# Altium PCB 1,5mm_18um_4layers_std.PcbDoc (part 1 of 2) (continued)
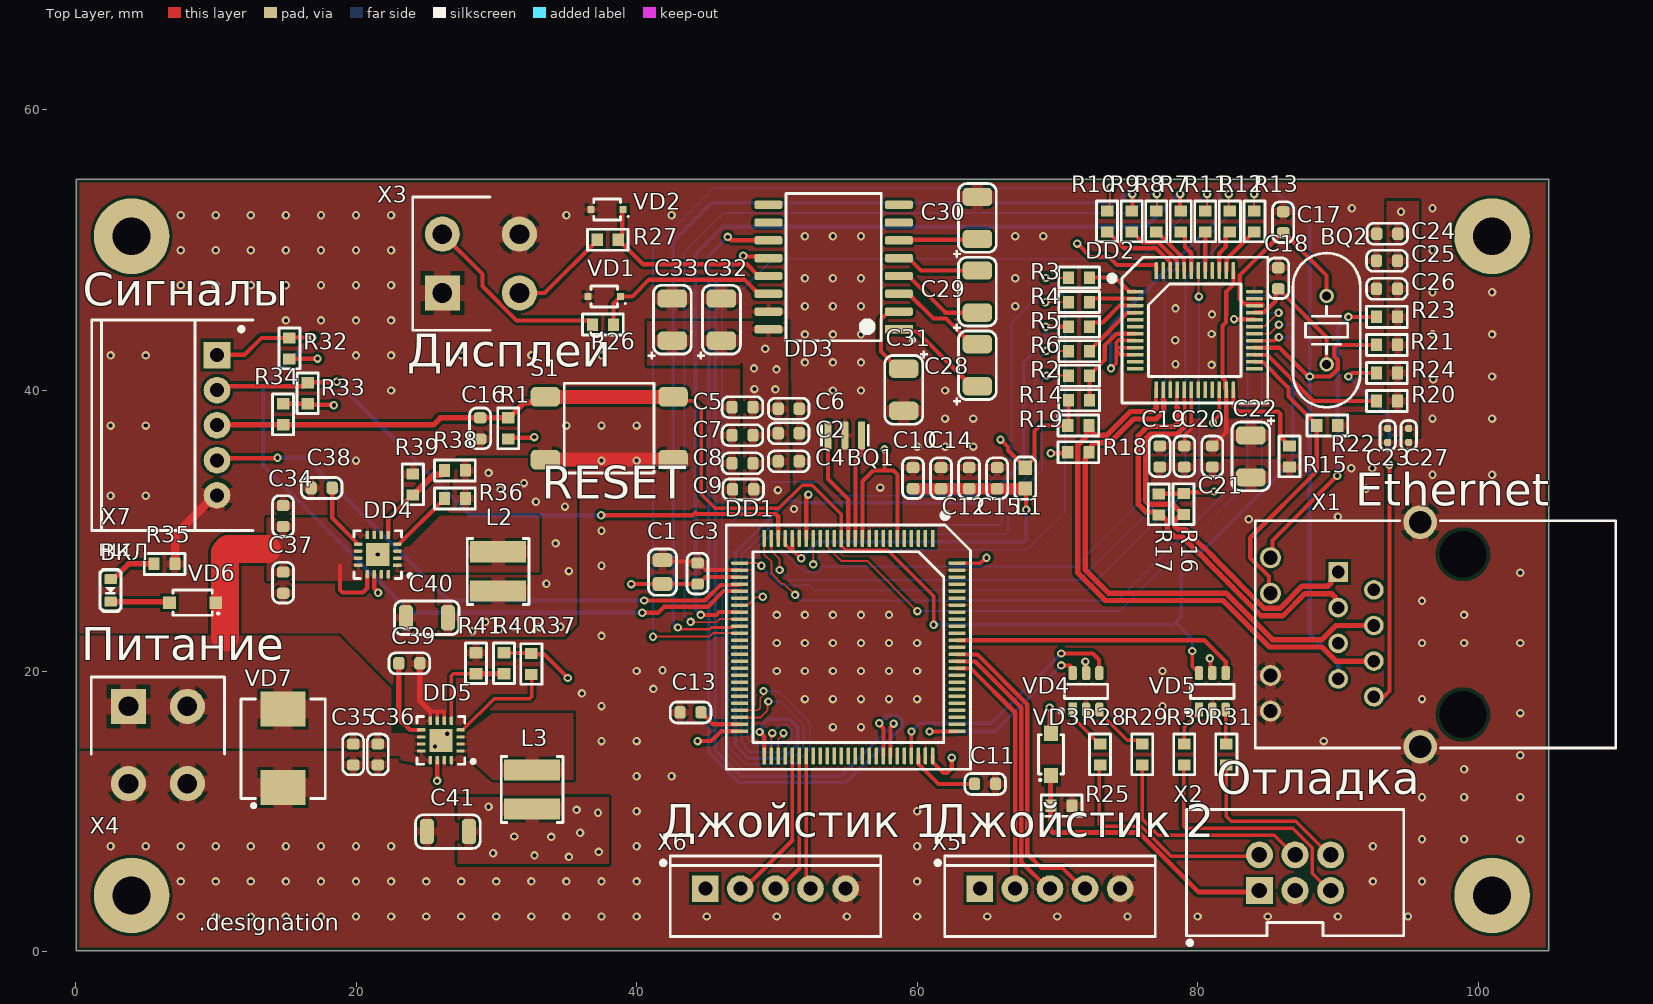
[diagram p0: Top Layer view]
## Components (designator, comment, footprint, x,y, rotation, side; value= is the part's Value field where it differs from the comment)
BQ1 "CSTCE12M0G52A-R0" CSTCE-3-P120-320X130X70 54.85,36.8 r180 top
BQ2 "ECS-250-18-4X-CKM" HC-49/US 89.2,44.3 r270 top
C1 "4,7 мк" C0805 41.85,27.05 r270 top
C2 "0,1 мк" C0603 50.85,36.95 r180 top
C3 "0,1 мк" C0603 44.35,26.95 r270 top
C4 "0,1 мк" C0603 50.85,34.95 r180 top
C5 "0,1 мк" C0603 47.55,38.81 r0 top
C6 "0,1 мк" C0603 50.85,38.7 r180 top
C7 "0,1 мк" C0603 47.55,36.81 r0 top
C8 "0,1 мк" C0603 47.55,34.81 r0 top
C9 "0,1 мк" C0603 47.6,32.95 r0 top
C10 "1 мк" C0603 59.71,33.75 r270 top
C11 "2,2 мк" C0603 64.85,11.95 r0 top
C12 "0,01 мк" C0603 63.71,33.75 r90 top
C13 "2,2 мк" C0603 43.85,17.05 r180 top
C14 "1 мк" C0603 61.71,33.75 r270 top
C15 "0,01 мк" C0603 65.71,33.75 r90 top
C16 "0,1 мк" C0603 28.85,37.3 r270 top
C17 "18" C0603 86.1,52 r90 top
C18 "18" C0603 85.75,48 r270 top
C19 "0,1 мк" C0603 77.3,35.3 r90 top
C20 "0,1 мк" C0603 79.05,35.3 r90 top
C21 "0,1 мк" C0603 81.05,35.3 r90 top
C22 "10 мк" C3216-18 83.8,35.3 r270 top
C23 "0,1 мк" C0402 93.55,36.8 r90 top
C24 "0,1 мк" C0603 93.525,51.175 r0 top
C25 "0,1 мк" C0603 93.5,49.25 r0 top
C26 "0,1 мк" C0603 93.5,47.25 r0 top
C27 "0,1 мк" C0402 95.05,36.8 r90 top
C28 "1 мк" C3216-18 64.3,41.8 r90 top
C29 "1 мк" C3216-18 64.3,47.05 r90 top
C30 "1 мк" C3216-18 64.3,52.3 r90 top
C31 "1 мк" C3216-18 59.05,40.05 r270 top
C32 "0,1 мк" C3216-18 46.05,45.05 r90 top
C33 "1 мк" C3216-18 42.55,45.05 r90 top
C34 "2,2 мк" C0603 14.8,31.05 r270 top
C35 "2,2 мк" C0603 19.8,14.05 r90 top
C36 "0,1 мк" C0603 21.55,14.05 r270 top
C37 "0,1 мк" C0603 14.8,26.3 r270 top
C38 "20" C0603 17.55,33.05 r0 top
C39 "20" C0603 23.8,20.55 r180 top
C40 "22 мк" C1206 25.05,23.8 r0 top
C41 "22 мк" C1206 26.55,8.55 r0 top
DD1 "STM32F407VGT6" LQFP-100-P50-1400X1400X160-L60X22 55.1,21.7 r270 top
DD2 "DP83848C" LQFP-48-P50-700X700X160-L60X22 79.8,44.3 r0 top
DD3 "MAX232DW" SOIC-16-P127-1030X750X265-L84X41 54.05,48.8 r180 top
DD4 "TLV62130ARGTT" WQFN-16-P50-300X300X100-L40X24-T168X168 21.55,28.3 r180 top
DD5 "TLV62130ARGTT" WQFN-16-P50-300X300X100-L40X24-T168X168 26.05,15.05 r180 top
HL1 "TLMS1000-GS08" HL0603 2.5,25.75 r90 top
L1 "BLM18KG221SH1D" BLM-2-0603 67.71,33.75 r90 top
L2 "XFL4020-222MEC" XFL-2-400X400X210 30.124,27.102 r270 top
L3 "XFL4020-222MEC" XFL-2-400X400X210 32.55,11.55 r270 top
R1 "10 к" R0603 30.85,37.3 r270 top
R2 "0" R0603 71.55,41.05 r0 top
R3 "51" R0603 71.55,48.05 r0 top
R4 "51" R0603 71.55,46.3 r0 top
R5 "51" R0603 71.55,44.55 r0 top
R6 "51" R0603 71.55,42.8 r0 top
R7 "51" R0603 78.8,52.05 r270 top
R8 "51" R0603 77.05,52.05 r270 top
R9 "51" R0603 75.3,52.05 r270 top
R10 "51" R0603 73.55,52.05 r270 top
R11 "51" R0603 80.55,52.05 r270 top
R12 "51" R0603 82.3,52.05 r270 top
R13 "51" R0603 84.05,52.05 r270 top
R14 "2,2 к" R0603 71.55,39.3 r0 top
R15 "4,99 к" R0603 86.55,35.3 r90 top
R16 "51" R0603 79,31.9 r270 top
R17 "51" R0603 77.225,31.875 r270 top
R18 "51" R0603 71.5,35.6 r0 top
R19 "51" R0603 71.5,37.5 r0 top
R20 "2,2 к" R0603 93.5,39.25 r0 top
R21 "2,2 к" R0603 93.5,43.25 r0 top
R22 "2,2 к" R0603 89.25,37.5 r0 top
R23 "240" R0603 93.5,45.25 r180 top
R24 "240" R0603 93.5,41.25 r180 top
R25 "10 к" R0603 70.3,10.4 r180 top
R26 "22" R0603 37.6,44.7 r0 top
R27 "22" R0603 37.95,50.75 r0 top
R28 "22" R0603 73.05,14.05 r90 top
R29 "22" R0603 76.05,14.05 r90 top
R30 "22" R0603 79.05,14.05 r90 top
R31 "22" R0603 82.05,14.05 r90 top
R32 "10 к" R0603 15.25,43 r90 top
R33 "10 к" R0603 16.55,39.8 r90 top
R34 "10 к" R0603 14.8,38.3 r270 top
R35 "750" R0603 6.35,27.635 r180 top
R36 "100 к" R0603 27.05,32.3 r0 top
R37 "100 к" R0603 32.5,20.5 r90 top
R38 "560 к" R0603 27.05,34.3 r0 top
R39 "180 к" R0603 24.05,33.3 r90 top
R40 "910 к" R0603 30.55,20.55 r270 top
R41 "180 к" R0603 28.55,20.55 r90 top
S1 "FSM4JSMA" FSM4JSMA 38.05,37.31 r0 top
VD1 "SD12C-01FTG" SOD-323-257X130X114 37.7,46.7 r180 top
VD2 "SD12C-01FTG" SOD-323-257X130X114 37.9,52.9 r180 top
VD3 "MBR140SFT1G" SOD-123FL-370X165X98 69.55,14.05 r90 top
VD4 "TPD2S017DBVR" SOT-23-6-P95-290X280X145 72.05,18.55 r90 top
VD5 "TPD2S017DBVR" SOT-23-6-P95-290X280X145 81.05,18.55 r90 top
VD6 "MBR0530T1G" SOD-123-368X160X135 8.35,24.875 r180 top
VD7 "1.5SMC62CA" DO-214AB-790X590X262 14.8,14.5 r90 top
X1 "5-2301994-8" 5-2301994-8 96.915,22.61 r90 top
X2 "DS1013-06SSiB1-B-0" DS1013-06SSiB1-B-0 86.95,5.62 r0 top
X3 "4-1775099-0" 4-1775099-0 28.8,49.05 r90 top
X4 "4-1775099-0" 4-1775099-0 5.875,14.825 r0 top
X5 "DS1069-5MVW6X" DS1069-5MVW6X 69.475,3.95 r0 top
X6 "DS1069-5MVW6X" DS1069-5MVW6X 49.9,3.95 r0 top
X7 "DS1069-5MRW6XA" DS1069-5MRW6XA 6.925,37.525 r270 top

## Footprints (in the part's own frame and the unit in brackets; to place one, negate y for a bottom-side part, rotate by r counter-clockwise, add the part's x,y. Pads: shape width x height; smd on the part's side, far side on the other; paste and mask are expansions set on the pad)
4-1775099-0 [mm] "ATX Power 4 Pins Mount Header, V/A Type"
  rect 2.5x2.5 hole 1.4: 1(-2.1,2.65)
  round 2.5 hole 1.4: 2(2.1,2.65) 3(-2.1,-2.85) 4(2.1,-2.85)
  silkscreen extent -4.75,-0.75 4.75,4.75, body extent -5.1,-6.1 4.75,4.8, height 12.8
5-2301994-8 [mm] "RJ45 with Integrated Magnetics, 10/100 Mbps, LED, R/A Type"
  rect 1.4x1.4 hole 0.9: 1(4.445,6.89)
  round 1.4 hole 0.9: 2(3.175,4.35) 3(1.905,6.89) 4(0.635,4.35) 5(-0.635,6.89) 6(-1.905,4.35) 7(-3.175,6.89) 8(-4.445,4.35)
  round 1.5 hole 1.02: 9(5.465,11.72) 10(2.925,11.72) 11(-2.925,11.72) 12(-5.465,11.72)
  round 2.4 hole 1.6: TP1(-8,1.05) TP1(8,1.05)
  round 0 hole 3.35: ""(-5.715,-2) ""(5.715,-2)
  silkscreen extent -8.1,-12.9 8.1,12.8, body extent -9.37,-12.94 9.37,12.5, height 15.15
BLM-2-0603 [mm] "Chip Inductor, 2-Leads, Body 1,60x0,80mm, IPC Medium Density"
  rect 1.02x0.98 smd: 1(-0.74,0) 2(0.74,0)
  silkscreen extent -1.5,-0.75 1.5,0.75, body extent -0.8,-0.37 0.8,0.38, height 0.8
C0402 [mm] "Chip Capacitor, 2-Leads, Body 1,00x0,50mm, IPC Medium Density"
  rrect50% 0.5x0.5 smd: 1(-0.5,0) 2(0.5,0)
  silkscreen extent -1.05,-0.55 1.05,0.55, body extent -0.5,-0.25 0.5,0.25, height 0.5
C0603 [mm] "Chip Capacitor, 2-Leads, Body 1,60x0,80mm, IPC Medium Density"
  rrect50% 0.8x0.9 smd: 1(-0.75,0) 2(0.75,0)
  silkscreen extent -1.45,-0.75 1.45,0.75, body extent -0.8,-0.4 0.8,0.4, height 0.8
C0805 [mm] "Chip Capasitor, 2-Leads, Body 2,00x1,25mm, IPC Medium Density"
  rrect50% 1x1.4 smd: 1(-0.85,0) 2(0.85,0)
  silkscreen extent -1.65,-1 1.65,1, body extent -1,-0.62 1,0.63, height 0.6
C1206 [mm] "Chip Capacitor, 2-Leads, Body 3,20x1,60mm, IPC Medium Density"
  rrect50% 1x1.8 smd: 1(-1.5,0) 2(1.5,0)
  silkscreen extent -2.3,-1.2 2.3,1.2, body extent -1.6,-0.8 1.6,0.8, height 0.78
C3216-18 [mm] "Chip Tantalum Capacitor, 2-Leads, Body 3,20x1,60mm, IPC Medium Density"
  rrect50% 1.3x2.1 smd: 1(-1.5,0) 2(1.5,0)
  silkscreen extent -2.8,-1.35 2.45,1.7, body extent -1.7,-0.95 1.7,0.95, height 1.83
CSTCE-3-P120-320X130X70 [mm] "Ceramic Chip Oscillator, Body 3,20x1,30mm, 3-Leads, Pitch 1,20mm"
  rrect25% 0.5x2 smd paste-0.025 mask+0.1: 1(-1.2,0) 2(0,0) 3(1.2,0)
  silkscreen extent -1.68,-0.7 1.67,0.7, body extent -1.6,-0.65 1.6,0.65, height 0.8
DO-214AB-790X590X262 [mm] "Molded Diode, 2-Leads, Body 7,90x5,90mm, IPC Medium Density"
  rect 2.5x3.2 smd: 1(-2.8,0) 2(2.8,0)
  silkscreen extent -4.22,-3 3.5,3, body extent -3.95,-2.95 3.95,2.95, height 2.59
DS1013-06SSiB1-B-0 [mm] "BH 6 pins 2,54mm Plug Header V/T Type"
  rect 1.92x1.92 hole 1.1: 1(-2.54,-1.27)
  round 1.92 hole 1.1: 2(-2.54,1.27) 3(0,-1.27) 4(0,1.27) 5(2.54,-1.27) 6(2.54,1.27)
  silkscreen extent -7.75,-5.01 7.75,4.5, body extent -7.71,-4.4 7.71,4.4, height 9
DS1069-5MRW6XA [mm] "CWF 5 Pins Plug Header, Pitch 2,5mm, R/A Type, Type A"
  rect 1.9x1.9 hole 1: 1(-5,3.164)
  round 1.9 hole 1: 2(-2.5,3.164) 3(0,3.164) 4(2.5,3.164) 5(5,3.164)
  silkscreen extent -7.5,-5.76 7.5,5.74, body extent -7.5,-5.76 7.5,5.74, height 5.85
DS1069-5MVW6X [mm] "CWF 5 Pins Plug Header, Pitch 2,5mm, V/T Type"
  rect 1.9x1.9 hole 1: 1(-4.998,0.538)
  round 1.9 hole 1: 2(-2.497,0.538) 3(0.003,0.538) 4(2.502,0.538) 5(5.003,0.538)
  silkscreen extent -8,-2.88 7.5,2.87, body extent -7.5,-2.87 7.5,2.88, height 7.05
FSM4JSMA [mm]
  rrect50% 2.1x1.4 smd: 1(-4.55,2.24) 1(4.55,2.24) 2(-4.55,-2.24) 2(4.55,-2.24)
  silkscreen extent -3.2,-3.2 3.2,3.2, body extent -5,-3 5,3, height 5.13
HC-49/US [mm] "HC-49/US Quartz Crystall"
  round 1.03 hole 0.63: 1(-2.44,0) 2(2.44,0)
  silkscreen extent -5.5,-2.4 5.5,2.4, body extent -5.4,-2.3 5.4,2.3, height 3.53
HL0603 [mm] "Chip Resistor, 2-Leads, Body 1,60x0,80mm, IPC Medium Density"
  rrect25% 0.7x0.9 smd: 1(-0.8,0) 2(0.8,0)
  silkscreen extent -1.5,-0.75 1.5,0.75, body extent -0.81,-0.4 0.81,0.4, height 0.64
LQFP-48-P50-700X700X160-L60X22 [mm] "LQFP, 48-Leads, Body 7,00x7,00mm, Pitch 0,50mm, IPC Medium Density"
  rect 1.2x0.25 smd: 1(-4.25,2.75)
  rrect50% 1.2x0.25 smd: 2(-4.25,2.25) 3(-4.25,1.75) 4(-4.25,1.25) 5(-4.25,0.75) 6(-4.25,0.25) 7(-4.25,-0.25) 8(-4.25,-0.75) 9(-4.25,-1.25) 10(-4.25,-1.75) 11(-4.25,-2.25) 12(-4.25,-2.75) 25(4.25,-2.75) 26(4.25,-2.25) 27(4.25,-1.75) 28(4.25,-1.25) 29(4.25,-0.75) 30(4.25,-0.25) 31(4.25,0.25) 32(4.25,0.75) 33(4.25,1.25) 34(4.25,1.75) 35(4.25,2.25) 36(4.25,2.75)
  rrect50% 0.25x1.2 smd: 13(-2.75,-4.25) 14(-2.25,-4.25) 15(-1.75,-4.25) 16(-1.25,-4.25) 17(-0.75,-4.25) 18(-0.25,-4.25) 19(0.25,-4.25) 20(0.75,-4.25) 21(1.25,-4.25) 22(1.75,-4.25) 23(2.25,-4.25) 24(2.75,-4.25) 37(2.75,4.25) 38(2.25,4.25) 39(1.75,4.25) 40(1.25,4.25) 41(0.75,4.25) 42(0.25,4.25) 43(-0.25,4.25) 44(-0.75,4.25) 45(-1.25,4.25) 46(-1.75,4.25) 47(-2.25,4.25) 48(-2.75,4.25)
  silkscreen extent -6.1,-5.2 5.2,5.2, body extent -4.5,-4.5 4.5,4.5, height 1.61
LQFP-100-P50-1400X1400X160-L60X22 [mm] "LQFP, 100-Leads, Body 14,00x14,00mm, Pitch 0,50mm, IPC Medium Density"
  rect 1.2x0.25 smd: 1(-7.75,6)
  rrect50% 1.2x0.25 smd: 2(-7.75,5.5) 3(-7.75,5) 4(-7.75,4.5) 5(-7.75,4) 6(-7.75,3.5) 7(-7.75,3) 8(-7.75,2.5) 9(-7.75,2) 10(-7.75,1.5) 11(-7.75,1) 12(-7.75,0.5) 13(-7.75,0) 14(-7.75,-0.5) 15(-7.75,-1) 16(-7.75,-1.5) 17(-7.75,-2) 18(-7.75,-2.5) 19(-7.75,-3) 20(-7.75,-3.5) 21(-7.75,-4) 22(-7.75,-4.5) 23(-7.75,-5) 24(-7.75,-5.5) 25(-7.75,-6) 51(7.75,-6) 52(7.75,-5.5) 53(7.75,-5) 54(7.75,-4.5) 55(7.75,-4) 56(7.75,-3.5) 57(7.75,-3) 58(7.75,-2.5) 59(7.75,-2) 60(7.75,-1.5) 61(7.75,-1) 62(7.75,-0.5) 63(7.75,0) 64(7.75,0.5) 65(7.75,1) 66(7.75,1.5) 67(7.75,2) 68(7.75,2.5) 69(7.75,3) 70(7.75,3.5) 71(7.75,4) 72(7.75,4.5) 73(7.75,5) 74(7.75,5.5) 75(7.75,6)
  rrect50% 0.25x1.2 smd: 26(-6,-7.75) 27(-5.5,-7.75) 28(-5,-7.75) 29(-4.5,-7.75) 30(-4,-7.75) 31(-3.5,-7.75) 32(-3,-7.75) 33(-2.5,-7.75) 34(-2,-7.75) 35(-1.5,-7.75) 36(-1,-7.75) 37(-0.5,-7.75) 38(0,-7.75) 39(0.5,-7.75) 40(1,-7.75) 41(1.5,-7.75) 42(2,-7.75) 43(2.5,-7.75) 44(3,-7.75) 45(3.5,-7.75) 46(4,-7.75) 47(4.5,-7.75) 48(5,-7.75) 49(5.5,-7.75) 50(6,-7.75) 76(6,7.75) 77(5.5,7.75) 78(5,7.75) 79(4.5,7.75) 80(4,7.75) 81(3.5,7.75) 82(3,7.75) 83(2.5,7.75) 84(2,7.75) 85(1.5,7.75) 86(1,7.75) 87(0.5,7.75) 88(0,7.75) 89(-0.5,7.75) 90(-1,7.75) 91(-1.5,7.75) 92(-2,7.75) 93(-2.5,7.75) 94(-3,7.75) 95(-3.5,7.75) 96(-4,7.75) 97(-4.5,7.75) 98(-5,7.75) 99(-5.5,7.75) 100(-6,7.75)
  silkscreen extent -9.6,-8.7 8.7,8.7, body extent -8,-8 8,8, height 1.6
R0603 [mm] "Chip Resistor, 2-Leads, Body 1,60x0,80mm, IPC Medium Density"
  rect 0.8x0.9 smd: 1(-0.75,0) 2(0.75,0)
  silkscreen extent -1.45,-0.75 1.45,0.75, body extent -0.77,-0.43 0.78,0.43, height 0.43
SOD-123-368X160X135 [mm] "SOD, 2-Leads, Body 3,68x1,60mm, IPC Medium Density"
  rect 0.9x0.9 smd: 1(-1.65,0) 2(1.65,0)
  silkscreen extent -1.87,-0.9 1.4,0.9, body extent -1.82,-0.77 1.83,0.78, height 1.5
SOD-123FL-370X165X98 [mm] "SODFL, 2-Leads, Body 3,70x1,65mm, IPC Medium Density"
  rect 1.1x1 smd: 1(-1.5,0) 2(1.5,0)
  silkscreen extent -1.87,-0.9 1.4,0.9, body extent -1.8,-0.82 1.8,0.83, height 0.95
SOD-323-257X130X114 [mm] "SOD, 2-Leads, Body 2,57x1,30mm, IPC Medium Density"
  rect 0.5x0.5 smd: 1(-1.15,0) 2(1.15,0)
  silkscreen extent -1.55,-0.75 0.95,0.75, body extent -1.3,-0.67 1.3,0.68, height 1.1
SOIC-16-P127-1030X750X265-L84X41 [mm] "SOIC, 16-Leads, Body 10,30x7,50mm, Pitch 1,27mm, IPC Medium Density"
  rect 2x0.6 smd: 1(-4.65,4.445)
  rrect50% 2x0.6 smd: 2(-4.65,3.175) 3(-4.65,1.905) 4(-4.65,0.635) 5(-4.65,-0.635) 6(-4.65,-1.905) 7(-4.65,-3.175) 8(-4.65,-4.445) 9(4.65,-4.445) 10(4.65,-3.175) 11(4.65,-1.905) 12(4.65,-0.635) 13(4.65,0.635) 14(4.65,1.905) 15(4.65,3.175) 16(4.65,4.445)
  silkscreen extent -5.75,-5.25 3.4,5.32, body extent -5.24,-5.17 5.24,5.18, height 2.65
SOT-23-6-P95-290X280X145 [mm] "SOT-23, 6-Leads, Body 2,90x2,80mm, Pitch 0,95mm, IPC Medium Density"
  rect 1x0.6 smd: 1(-1.3,0.95)
  rrect50% 1x0.6 smd: 2(-1.3,0) 3(-1.3,-0.95) 4(1.3,-0.95) 5(1.3,0) 6(1.3,0.95)
  silkscreen extent -1.52,-1.55 0.5,1.9, body extent -1.4,-1.45 1.4,1.45, height 1.45
WQFN-16-P50-300X300X100-L40X24-T168X168 [mm] "WQFN, 16-Leads, Body 3,00x3,00mm, Pitch 0,50mm, Thermal Pad 1,68x1,68mm, IPC Medium Density"
  rect 1.66x1.66 smd: 0(0,0)
  rect 0.6x0.24 smd: 1(-1.4,0.75)
  rrect50% 0.6x0.24 smd: 2(-1.4,0.25) 3(-1.4,-0.25) 4(-1.4,-0.75) 9(1.4,-0.75) 10(1.4,-0.25) 11(1.4,0.25) 12(1.4,0.75)
  rrect50% 0.24x0.6 smd: 5(-0.75,-1.4) 6(-0.25,-1.4) 7(0.25,-1.4) 8(0.75,-1.4) 13(0.75,1.4) 14(0.25,1.4) 15(-0.25,1.4) 16(-0.75,1.4)
  silkscreen extent -2.43,-1.7 1.7,1.7, body extent -1.5,-1.5 1.5,1.5, height 0.8
XFL-2-400X400X210 [mm] "Chip Inductor, 2-Leads, Body 4,00x4,00mm, IPC Medium Density"
  rect 1.5x4 smd: 1(-1.4,0) 2(1.4,0)
  silkscreen extent -2.35,-2.2 2.35,2.2, body extent -2.15,-2.15 2.15,2.15, height 2.1

## Part data
BQ1: library part bq0002, "=Описание", HelpURL=https://www.murata.com/products/productdetail?partno=CSTCE12M0G52A-R0, ID=bq0002, Корпус="3,20 x 1,30 x 0,70", Наименование=CSTCE12M0G52A-R0, Описание="Керамический резонатор 12 МГц со встроенными конденсаторами", Производитель="Murata Manufacturing Co., Ltd.", Фамилия=Самарин, Частотa="12 МГц", Частота="12 МГц"
BQ2: library part bq0007, "=Описание", HelpURL=https://ru.mouser.com/datasheet/2/122/hc_49usx-791.pdf, ID=bq0007, Корпус=HC-49/USX, Наименование=ECS-250-18-4X-CKM, Описание="Кварцевый резонатор 25 МГц нагрузочные конденсаторы 18 пФ", Производитель="ECS, Inc. International", Фамилия=Соколов, Частотa="25 МГц", Частота="25 МГц"
C1: library part c0139, "=Описание", HelpURL=https://www.yageo.com/upload/media/product/productsearch/datasheet/mlcc/UPY-GPHC_X7R_6.3V-to-50V_20.pdf, ID=c0139, Корпус=0805, Наименование=CC0805KKX7R8BB475, Напряжение="25 В", Номинал="4,7 мк", Номинальное напряжение="25 В", Описание="Конденсатор керамический чип 0805 4,7 мкФ 25 В ±10 %", Отклонение="±10 %", Производитель="YAGEO Corp.", Рабочие температуры="от –55 °С до +125 °С", Температурный коэффициент емкости=X7R, Фамилия=Паньков
C2 C3 C4 C5 C6 C7 C8 C9: library part c0081, "=Описание", HelpURL=https://www.yageo.com/upload/media/product/productsearch/datasheet/mlcc/UPY-GPHC_X7R_6.3V-to-50V_20.pdf, ID=c0081, Корпус=0603, Наименование=CC0603KRX7R6BB104, Напряжение="10 В", Номинал="0,1 мк", Номинальное напряжение="10 В", Описание="Конденсатор керамический чип 0603 100 нФ 10 В ±10 %", Отклонение="±10 %", Производитель="YAGEO Corp.", Рабочие температуры="от –55 °С до +125 °С", Температурный коэффициент емкости=X7R, Фамилия=Паньков
C10 C14: library part c0113, "=Описание", HelpURL=https://www.yageo.com/upload/media/product/productsearch/datasheet/mlcc/UPY-GPHC_X7R_6.3V-to-50V_20.pdf, ID=c0113, Корпус=0603, Наименование=CC0603KRX7R6BB105, Напряжение="10 В", Номинал="1 мк", Номинальное напряжение="10 В", Описание="Конденсатор керамический чип 0603 1 мкФ 10 В ±10 %", Отклонение="±10 %", Производитель="YAGEO Corp.", Рабочие температуры="от –55 °С до +125 °С", Температурный коэффициент емкости=X7R, Фамилия=Паньков
C11 C13: library part c0097, "=Описание", HelpURL=https://www.yageo.com/upload/media/product/productsearch/datasheet/mlcc/UPY-GPHC_X7R_6.3V-to-50V_20.pdf, ID=c0097, Корпус=0603, Наименование=CC0603KRX7R6BB225, Напряжение="10 В", Номинал="2,2 мк", Номинальное напряжение="10 В", Описание="Конденсатор керамический чип 0603 2,2 мкФ 10 В ±10 %", Отклонение="±10 %", Производитель="YAGEO Corp.", Рабочие температуры="от –55 °С до +125 °С", Температурный коэффициент емкости=X7R, Фамилия=Чернов
C12 C15: library part c0033, "=Описание", HelpURL=https://www.yageo.com/upload/media/product/productsearch/datasheet/mlcc/UPY-GPHC_X7R_6.3V-to-50V_20.pdf, ID=c0033, Корпус=0603, Наименование=CC0603KRX7R6BB103, Напряжение="10 В", Номинал="0,01 мк", Номинальное напряжение="10 В", Описание="Конденсатор керамический чип 0603 10 нФ 10 В ±10 %", Отклонение="±10 %", Производитель="YAGEO Corp.", Рабочие температуры="от –55 °С до +125 °С", Температурный коэффициент емкости=X7R, Фамилия=Паньков
C16: library part c0057, "=Описание", HelpURL=https://www.yageo.com/upload/media/product/productsearch/datasheet/mlcc/UPY-GPHC_X7R_6.3V-to-50V_20.pdf, ID=c0057, Корпус=0603, Наименование=CC0603KRX7R6BB104, Напряжение="10 В", Номинал="0,1 мк", Номинальное напряжение="10 В", Описание="Конденсатор керамический чип 0603 100 нФ 10 В ±10 %", Отклонение="±10 %", Производитель="YAGEO Corp.", Рабочие температуры="от –55 °С до +125 °С", Температурный коэффициент емкости=X7R, Фамилия=Паньков
C17 C18: library part c0180, "=Описание", HelpURL=https://www.yageo.com/upload/media/product/productsearch/datasheet/mlcc/UPY-GP_NP0_16V-to-50V_18.pdf, ID=c0180, Корпус=0603, Наименование=CC0603FRNPO9BN200, Напряжение="50 В", Номинал=18, Номинальное напряжение="50 В", Описание="Конденсатор керамический чип 0603 18 пФ 50 В ±1 %", Отклонение="±1 %", Производитель="YAGEO Corp.", Рабочие температуры="от –55 °С до +125 °С", Температурный коэффициент емкости=C0G, Фамилия=Соколов
C19 C20 C21 C24 C25 C26: library part c0089, "=Описание", HelpURL=https://www.yageo.com/upload/media/product/productsearch/datasheet/mlcc/UPY-NP0X7R_MV_100-to-630V_22.pdf, ID=c0089, Корпус=0603, Наименование=CC0603KRX7R0BB104, Напряжение="100 В", Номинал="0,1 мк", Номинальное напряжение="100 В", Описание="Конденсатор керамический чип 0603 100 нФ 100 В ±10 %", Отклонение="±10 %", Производитель="YAGEO Corp.", Рабочие температуры="от –55 °С до +125 °С", Температурный коэффициент емкости=X7R, Фамилия=Ларионов
C22: library part c0074, "=Описание", HelpURL=https://www.vishay.com/capacitors/list/product-40002/, ID=c0074, Корпус=3216-18, Наименование=293D106X9016A2TE3, Напряжение="16 В", Номинал="10 мк", Номинальное напряжение="16 В", Описание="Конденсатор танталовый чип 3216-18 10 мкФ 16 В ±10 %", Отклонение="±10 %", Производитель="Vishay Intertechnology, Inc.", Рабочие температуры="от –55 °С до +125 °С", Среднеквадратичный размах пульсации тока="0,16 А", Фамилия=Паньков, Эквивалентное последовательное сопротивление="3,0 Ом"
C23 C27: library part c0078, "=Описание", HelpURL=https://www.yageo.com/upload/media/product/productsearch/datasheet/mlcc/UPY-GPHC_X5R_4V-to-50V_26.pdf, ID=c0078, Корпус=0402, Наименование=CC0402KRX5R5BB104, Напряжение="6,3 В", Номинал="0,1 мк", Номинальное напряжение="6,3 В", Описание="Конденсатор керамический чип 0402 100 нФ 6,3 В ±10 %", Отклонение="±10 %", Производитель="YAGEO Corp.", Рабочие температуры="от –55 °С до +85 °С", Температурный коэффициент емкости=X5R, Фамилия=Паньков
C28 C29 C30 C31 C33: library part c0014, "=Описание", HelpURL=https://www.vishay.com/capacitors/list/product-40002/, ID=c0014, Корпус=3216-18, Наименование=293D105X9025A2TE3, Напряжение="25 В", Номинал="1 мк", Номинальное напряжение="25 В", Описание="Конденсатор танталовый чип 3216-18 1 мкФ 25 В ±10 %", Отклонение="±10 %", Производитель="Vishay Intertechnology, Inc.", Рабочие температуры="от –55 °С до +125 °С", Среднеквадратичный размах пульсации тока="0,10 А", Фамилия=Ларионов, Эквивалентное последовательное сопротивление="7,6 Ом"
C32: library part c0001, "=Описание", HelpURL=https://www.vishay.com/capacitors/list/product-40002/, ID=c0001, Корпус=3216-18, Наименование=293D104X9050A2TE3, Напряжение="50 В", Номинал="0,1 мк", Номинальное напряжение="50 В", Описание="Конденсатор танталовый чип 3216-18 100 нФ 50 В ±10 %", Отклонение="±10 %", Производитель="Vishay Intertechnology, Inc.", Рабочие температуры="от –55 °С до +125 °С", Среднеквадратичный размах пульсации тока="0,06 А", Фамилия=Ларионов, Эквивалентное последовательное сопротивление="19,0 Ом"
C34 C35: library part c0126, "=Описание", HelpURL=https://www.yageo.com/upload/media/product/productsearch/datasheet/mlcc/UPY-GPHC_X7R_6.3V-to-50V_20.pdf, ID=c0126, Корпус=0603, Наименование=CC0603KRX7R7BB225, Напряжение="16 В", Номинал="2,2 мк", Номинальное напряжение="16 В", Описание="Конденсатор керамический чип 0603 2,2 мкФ 16 В ±10 %", Отклонение="±10 %", Производитель="YAGEO Corp.", Рабочие температуры="от –55 °С до +125 °С", Температурный коэффициент емкости=X7R, Фамилия=Паньков
C36 C37: library part c0063, "=Описание", HelpURL=https://www.yageo.com/upload/media/product/productsearch/datasheet/mlcc/UPY-GPHC_X7R_6.3V-to-50V_20.pdf, ID=c0063, Корпус=0603, Наименование=CC0603KRX7R8BB104, Напряжение="25 В", Номинал="0,1 мк", Номинальное напряжение="25 В", Описание="Конденсатор керамический чип 0603 100 нФ 25 В ±10 %", Отклонение="±10 %", Производитель="YAGEO Corp.", Рабочие температуры="от –55 °С до +125 °С", Температурный коэффициент емкости=X7R, Фамилия=Паньков
C38 C39: library part c0021, "=Описание", HelpURL=https://www.yageo.com/upload/media/product/productsearch/datasheet/mlcc/UPY-GP_NP0_16V-to-50V_18.pdf, ID=c0021, Корпус=0603, Наименование=CC0603FRNPO9BN200, Напряжение="50 В", Номинал=20, Номинальное напряжение="50 В", Описание="Конденсатор керамический чип 0603 20 пФ 50 В ±1 %", Отклонение="±1 %", Производитель="YAGEO Corp.", Рабочие температуры="от –55 °С до +125 °С", Температурный коэффициент емкости=C0G, Фамилия=Паньков
C40 C41: library part c0159, "=Описание", HelpURL=https://www.yageo.com/upload/media/product/productsearch/datasheet/mlcc/UPY-GPHC_X5R_4V-to-50V_26.pdf, ID=c0159, Корпус=1206, Наименование=CC1206KKX5R6BB226, Напряжение="10 В", Номинал="22 мк", Номинальное напряжение="10 В", Описание="Конденсатор керамический чип 1206 22 мкФ 10 В ±10 %", Отклонение="±10 %", Производитель="YAGEO Corp.", Рабочие температуры="от –55 °С до +85 °С", Температурный коэффициент емкости=X5R, Фамилия=Паньков
DD1: library part dd0002, "=Описание", HelpURL=https://www.st.com/en/microcontrollers-microprocessors/stm32f407vg.html, ID=dd0002, Корпус=LQFP-100, Максимальная тактовая частота="168 МГц", Наименование=STM32F407VGT6, Описание="ARM Cortex-M4 32-разрядный микроконтроллер 168 МГц 1 Мбайт FLASH-памяти", Поддерживаемые интерфейсы="CAN, I2C, SDIO, I2S/SPI, UART/USART, USB", Производитель=STMicroelectronics, Рабочее напряжение="от 1,8 В до 3,6 В", Рабочие температуры="от –40 °С до +85 °С", Фамилия=Паньков
DD2: library part dd0005, "=Описание", Manufacturer=NationalSemiconductor, PackageTopMarking=NSUZXYTTDP83848VVVBC, PartNumber=DP83848CVV, PowerWise=N, ComponentLink1DescBC=DP83848CDatasheet, ComponentLink1URL=http//wwwnationalcom/ds/DP/DP83848Cpdf, ComponentLink2DescA4=DP83848CWebPage, ComponentLink2URL=http//wwwnationalcom/pf/DP/DP83848Chtml, ComponentLink3DescAC=VBH48APackagePage, ComponentLink3URL=http//wwwnationalcom/packaging/folders/vbh48ahtml, CompType=InterfaceIC, Copyright="Copyright (C) 2018 Accelerated Designs. All rights reserved", DatasheetVersion=May-2008, HelpURL=https://www.ti.com/lit/gpn/dp83848c, ID=dd0005, PackageDescription=LQFP7x7x14mm48Lead05mmPitch, PackageReference=VBH48A, PackageVersion=revEMay-2007, PinCount=48, Published=4-Dec-2008, Publisher=AltiumLimited, RoHS=Y, Supplier=PartNumb0F1528379, SUPPLIER_2=PartNumb0C1286816, SUPPLIER_3=1Farnell, SUPPLIER_4=2Farnell, Корпус=LQFP-48, Наименование=DP83848C, Описание="Приемопередатчик Ethernet PHY 10/100 Мбит / с с интерфейсом SNI и поддержкой JTAG", Производитель=TI, Фамилия=Соколов
DD3: library part dd0014, "=Описание", HelpURL=https://www.ti.com/product/MAX232, ID=dd0014, Корпус=SOIC-16, Наименование=MAX232DW, Описание="Приемопередатчик RS-232", Производитель="Texas Instruments Inc.", Рабочие температуры="от 0 до +70 °C", Фамилия=Паньков
DD4 DD5: library part dd0017, "=Описание", HelpURL=https://www.ti.com/product/TLV62130, ID=dd0017, Входное напряжение="от 3,0 В до 17 В", Выходное напряжение="от 0,9 до 5,25 В", Коммутируемый ток="до 3,0 А", Корпус=WQFN-16, Наименование=TLV62130ARGTT, Описание="Понижающий преобразователь напряжения 3,0…17 В / 0,9…5,25 В и 3,0 А", Производитель="Texas Instruments Inc.", Рабочие температуры="от –40 °С до +85 °С", Фамилия=Самарин, Частота переключения="от 1,25 МГц до 2,5 МГц"
HL1: library part hl0001, "=Описание", HelpURL=https://www.vishay.com/leds/list/product-83172/, ID=hl0001, Корпус=0603, Наименование=TLMS1000-GS08, Номинальная длина волны="628 нм", Номинальная сила света="4 мкд", Номинальное падение напряжения="1,8 В", Номинальный прямой ток="15 мА", Описание="Светодиод чип 0603 красный", Производитель="Vishay Intertechnology, Inc.", Рабочие температуры="от –40 °С до +100 °С", Рассеиваемая мощность="40 мВт", Фамилия=Ларионов, Цвет=Красный
L1: library part l0001, "=Описание", HelpURL=https://www.murata.com/en-global/products/productdetail?partno=BLM18KG221SH1%23, ID=l0001, Корпус=0603, Наименование=BLM18KG221SH1D, Описание="Ферритовая бусина 220 Ом ±25 %", Отклонение, 100 МГц="±25 %", Производитель="Murata Manufacturing Co., Ltd.", Рабочие температуры="от –55 °С до +125 °С", Сопротивление, 100 МГц="220 Ом", Сопротивление при постоянном токе="0,05 Ом", Фамилия=Ларионов
L2 L3: library part l0002, "=Описание", HelpURL=https://www.coilcraft.com/en-us/products/power/shielded-inductors/molded-inductor/xfl/xfl4020/, ID=l0002, Индуктивность="2,2 мкГн", Корпус="4,0 x 4,0 x 2,1", Максимальное активное сопротивление="23,5 мОм", Наименование=XFL4020-222MEC, Номинал="2,2 мкГн", Номинальное активное сопротивление="21,35 мОм", Номинальный ток (при нагреве на 20 °С/40 °С)="6 А", Описание="Катушка индуктивности 2,2 мкГн ±20 %", Отклонение="±20 %", Производитель="Coilcraft, Inc.", Рабочее напряжение="от 0 В до 20 В", Рабочие температуры="от –40 °С до +125 °С", Резонансная частота="38 МГц", Ток насыщения="3,5 А", Фамилия=Ларионов
R1 R25 R32 R33 R34: library part r0105, "=Описание", HelpURL=https://www.yageo.com/upload/media/product/productsearch/datasheet/rchip/PYu-RC_Group_51_RoHS_L_11.pdf, ID=r0105, Корпус=0603, Наименование=RC0603FR-0710KL, Номинал="10 к", Номинальное напряжение="75 В", Номинальный ток="1 А", Описание="Резистор чип 0603 10 кОм ±1 % 0,1 Вт", Отклонение="±1 %", Примечание="Ряд E24", Производитель="YAGEO Corp.", Рабочие температуры="от –55 °С до +155 °С", Фамилия=Самарин
R2: library part r0001, "=Описание", HelpURL=https://www.yageo.com/upload/media/product/productsearch/datasheet/rchip/PYu-RC_Group_51_RoHS_L_11.pdf, ID=r0001, Корпус=0603, Наименование=RC0603FR-130RL, Номинал=0, Номинальное напряжение="75 В", Номинальный ток="1 А", Описание="Резистор чип 0603 0 Ом ±1 % 0,1 Вт", Отклонение="±1 %", Производитель="YAGEO Corp.", Рабочие температуры="от –55 °С до +155 °С", Фамилия=Соколов
R3 R4 R5 R6 R7 R8 R9 R10 R11 R12 R13 R16 R17 R18 R19: library part r0044, "=Описание", HelpURL=https://www.yageo.com/upload/media/product/productsearch/datasheet/rchip/PYu-RC_Group_51_RoHS_L_11.pdf, ID=r0044, Корпус=0603, Наименование=RC0603FR-0751RL, Номинал=51, Номинальное напряжение="75 В", Номинальный ток="1 А", Описание="Резистор чип 0603 51 Ом ±1 % 0,1 Вт", Отклонение="±1 %", Примечание="Ряд E24", Производитель="YAGEO Corp.", Рабочие температуры="от –55 °С до +155 °С", Фамилия=Паньков
R14 R20 R21 R22: library part r0085, "=Описание", HelpURL=https://www.yageo.com/upload/media/product/productsearch/datasheet/rchip/PYu-RC_Group_51_RoHS_L_11.pdf, ID=r0085, Корпус=0603, Наименование=RC0603FR-072K2L, Номинал="2,2 к", Номинальное напряжение="75 В", Номинальный ток="1 А", Описание="Резистор чип 0603 2,2 кОм ±1 % 0,1 Вт", Отклонение="±1 %", Примечание="Ряд E24", Производитель="YAGEO Corp.", Рабочие температуры="от –55 °С до +155 °С", Фамилия=Паньков
R15: library part r0095, "=Описание", HelpURL=https://www.yageo.com/upload/media/product/productsearch/datasheet/rchip/PYu-RC_Group_51_RoHS_L_11.pdf, ID=r0095, Корпус=0603, Наименование=RC0603FR-074K99L, Номинал="4,99 к", Номинальное напряжение="75 В", Номинальный ток="1 А", Описание="Резистор чип 0603 4,99 кОм ±1 % 0,1 Вт", Отклонение="±1 %", Производитель="YAGEO Corp.", Рабочие температуры="от –55 °С до +155 °С", Фамилия=Жернаков
R23 R24: library part r0061, "=Описание", HelpURL=https://www.yageo.com/upload/media/product/productsearch/datasheet/rchip/PYu-RC_Group_51_RoHS_L_11.pdf, ID=r0061, Корпус=0603, Наименование=RC0603FR-07240RL, Номинал=240, Номинальное напряжение="75 В", Номинальный ток="1 А", Описание="Резистор чип 0603 240 Ом ±1 % 0,1 Вт", Отклонение="±1 %", Примечание="Ряд E24", Производитель="YAGEO Corp.", Рабочие температуры="от –55 °С до +155 °С", Фамилия=Паньков
R26 R27: library part r0004, "=Описание", HelpURL=https://www.yageo.com/upload/media/product/productsearch/datasheet/rchip/PYu-RC_Group_51_RoHS_L_11.pdf, ID=r0004, Корпус=0603, Наименование=RC0603FR-0722RL, Номинал=22, Номинальное напряжение="75 В", Номинальный ток="1 А", Описание="Резистор чип 0603 22 Ом ±1 % 0,1 Вт", Отклонение="±1 %", Примечание="Ряд E24", Производитель="YAGEO Corp.", Рабочие температуры="от –55 °С до +155 °С", Фамилия=Ларионов
R28 R29 R30 R31: library part r0034, "=Описание", HelpURL=https://www.yageo.com/upload/media/product/productsearch/datasheet/rchip/PYu-RC_Group_51_RoHS_L_11.pdf, ID=r0034, Корпус=0603, Наименование=RC0603FR-0722RL, Номинал=22, Номинальное напряжение="75 В", Номинальный ток="1 А", Описание="Резистор чип 0603 22 Ом ±1 % 0,1 Вт", Отклонение="±1 %", Примечание="Ряд E24", Производитель="YAGEO Corp.", Рабочие температуры="от –55 °С до +155 °С", Фамилия=Ларионов
R35: library part r0028, "=Описание", HelpURL=https://www.yageo.com/upload/media/product/productsearch/datasheet/rchip/PYu-RC_Group_51_RoHS_L_11.pdf, ID=r0028, Корпус=0603, Наименование=RC0603FR-07750RL, Номинал=750, Номинальное напряжение="75 В", Номинальный ток="1 А", Описание="Резистор чип 0603 750 Ом ±1 % 0,1 Вт", Отклонение="±1 %", Примечание="Ряд E24", Производитель="YAGEO Corp.", Рабочие температуры="от –55 °С до +155 °С", Фамилия=Паньков
R36 R37: library part r0141, "=Описание", HelpURL=https://www.yageo.com/upload/media/product/productsearch/datasheet/rchip/PYu-RC_Group_51_RoHS_L_11.pdf, ID=r0141, Корпус=0603, Наименование=RC0603FR-07100KL, Номинал="100 к", Номинальное напряжение="75 В", Номинальный ток="1 А", Описание="Резистор чип 0603 100 кОм ±1 % 0,1 Вт", Отклонение="±1 %", Примечание="Ряд E24", Производитель="YAGEO Corp.", Рабочие температуры="от –55 °С до +155 °С", Фамилия=Водорезов
R38: library part r0167, "=Описание", HelpURL=https://www.yageo.com/upload/media/product/productsearch/datasheet/rchip/PYu-RC_Group_51_RoHS_L_11.pdf, ID=r0167, Корпус=0603, Наименование=RC0603FR-07560KL, Номинал="560 к", Номинальное напряжение="75 В", Номинальный ток="1 А", Описание="Резистор чип 0603 560 кОм ±1 % 0,1 Вт", Отклонение="±1 %", Примечание="Ряд E24", Производитель="YAGEO Corp.", Рабочие температуры="от –55 °С до +155 °С", Фамилия=Паньков
R39 R41: library part r0152, "=Описание", HelpURL=https://www.yageo.com/upload/media/product/productsearch/datasheet/rchip/PYu-RC_Group_51_RoHS_L_11.pdf, ID=r0152, Корпус=0603, Наименование=RC0603FR-07180KL, Номинал="180 к", Номинальное напряжение="75 В", Номинальный ток="1 А", Описание="Резистор чип 0603 180 кОм ±1 % 0,1 Вт", Отклонение="±1 %", Примечание="Ряд E24", Производитель="YAGEO Corp.", Рабочие температуры="от –55 °С до +155 °С", Фамилия=Паньков
R40: library part r0172, "=Описание", HelpURL=https://www.yageo.com/upload/media/product/productsearch/datasheet/rchip/PYu-RC_Group_51_RoHS_L_11.pdf, ID=r0172, Корпус=0603, Наименование=RC0603FR-07910KL, Номинал="910 к", Номинальное напряжение="75 В", Номинальный ток="1 А", Описание="Резистор чип 0603 910 кОм ±1 % 0,1 Вт", Отклонение="±1 %", Примечание="Ряд E24", Производитель="YAGEO Corp.", Рабочие температуры="от –55 °С до +155 °С", Фамилия=Паньков
S1: library part s0001, "=Описание", HelpURL=https://www.te.com/usa-en/product-4-1437565-1.html, ID=s0001, Количество контактов=4, Корпус="6,00 x 6,00 x 4,98", Наименование=FSM4JSMA, Описание="Тактовая кнопка поверхностного монтажа", Производитель="TE Connectivity", Промывка=Запрещена, Рабочие температуры="от –35 °С до +85 °С", Сопротивление контакта="100 мОм", Ток нагрузки="50 мА @ 24 В", Фамилия=Паньков
VD1 VD2: library part vd0004, "=Описание", HelpURL=https://www.littelfuse.com/products/tvs-diode-arrays/general-purpose-esd-protection/sdc/sd12c_01ftg.aspx, ID=vd0004, Корпус=SOD-323, Наименование=SD12C-01FTG, Описание="Двунаправленная диодная сборка для подавления помех 12 В", Производитель="Littelfuse, Inc.", Фамилия=Ларионов
VD3: library part vd0002, "=Описание", HelpURL=https://www.onsemi.com/products/discretes-drivers/diodes-rectifiers/schottky-diodes-schottky-rectifiers/mbr140sf, ID=vd0002, Корпус=SOD-123FL, Максимальное обратное напряжение="40 В", Максимальное прямое напряжение="0,88 В", Максимальный прямой ток="1 А", Наименование=MBR140SFT1G, Описание="Диод Шоттки 40 В 1 А", Производитель="ON Semiconductor", Рабочие температуры="от –55 °С до +125 °С", Фамилия=Паньков
VD4 VD5: library part vd0016, "=Описание", HelpURL=https://www.ti.com/product/TPD2S017, ID=vd0016, Корпус=SOT-23-6, Наименование=TPD2S017DBVR, Описание="Диодная сборка для подавления помех 5 В", Производитель="Texas Instruments Inc.", Фамилия=Паньков
VD6: library part vd0001, "=Описание", HelpURL=https://www.onsemi.com/products/discretes-drivers/diodes-rectifiers/schottky-diodes-schottky-rectifiers/mbr0530t1g, ID=vd0001, Корпус=SOD-123, Максимальное обратное напряжение="30 В", Максимальное прямое напряжение="0,43 В", Максимальный прямой ток="0,5 А", Наименование=MBR0530T1G, Описание="Диод Шоттки 30 В 0,5 А", Производитель="ON Semiconductor", Рабочие температуры="от –65 °С до +125 °С", Фамилия=Шкабара
VD7: library part vd0009, "=Описание", HelpURL=https://www.littelfuse.com/products/tvs-diodes/surface-mount/1_5smc.aspx, ID=vd0009, Корпус=DO-214AB, Наименование=1.5SMC62CA, Описание="Двунаправленная диодная сборка для подавления помех 53 В", Производитель="Littelfuse, Inc.", Фамилия=Ларионов
X1: library part x0015, "=Описание", Contact_1=TD+, Contact_2=TCT, Contact_3=TD-, Contact_4=RD+, Contact_5=RCT, Contact_6=RD-, Contact_7=LED1+, Contact_8=LED1-, Contact_9=LED2-, Contact_10=LED2+, Contact_11="CHS GND", Contact_12=SHIELD, HelpURL=https://www.te.com/usa-en/product-5-2301994-8.html, ID=x0015, TP1=SHIELD, Наименование=5-2301994-8, Описание="RJ45 интегрированный трансформатор 10/100 Mbps LED гнездо угловой", Производитель="TE Connectivity", Фамилия=Ларионов
X2: library part x0022, "=Описание", Contact_1=VDD, Contact_2=SWCLK, Contact_3=GND, Contact_4=SWDIO, Contact_5=nRST, Contact_6=SWO, HelpURL=http://en.connfly.group/product/xVkr=EusQssAN0gN=Aos=mU+UrVkR9kqEAN0gN9g+Upc+NB+A, ID=x0022, Наименование=DS1013-06SSiB1-B-0, Описание="Box Header 6 pin 2,54 мм вилка прямой", Производитель="Connfly Electronic Co., Ltd.", Фамилия=Паньков
X3 X4: library part x0006, "=Описание", Contact_4=GND, HelpURL=https://www.te.com/usa-en/product-4-1775099-0.html, ID=x0006, Наименование=4-1775099-0, Описание="ATX Power 4 pin гнездо прямой", Производитель="TE Connectivity", Фамилия=Ларионов
  X3: Contact_1=GND, Contact_2=TX, Contact_3=RX
  X4: Contact_1=+12V, Contact_2=+12V, Contact_3=GND
X5 X6: library part x0047, "=Описание", Contact_1=+5V, Contact_2=A1, Contact_3=A2, Contact_4=D1, Contact_5=GND, HelpURL=http://en.connfly.group/product/xVkr=EusQssAN0gN=Aos=mU+UrVkR9kqEAN0gN0MUR+g+NB+A, ID=x0047, Наименование=DS1069-5MVW6X, Описание="CWF 5 pin 2,5 мм вилка прямой", Производитель="Connfly Electronic Co., Ltd.", Фамилия=Паньков
X7: library part x0046, "=Описание", Contact_1=PBOUT, Contact_2=INT, Contact_3=RST, Contact_4=KILLSW, Contact_5=GND, HelpURL=http://en.connfly.group/product/xVkr=EusQssAN0gN=Aos=mU+UrVkR9kqEAN0gN0MUR+g+NB+A, ID=x0046, Наименование=DS1069-5MRW6XA, Описание="CWF 5 pin Type A 2,5 мм вилка угловой", Производитель="Connfly Electronic Co., Ltd.", Фамилия=Паньков

## Free pads (board coordinates)
  round 5.4 hole 2.7: 2(4,4) 2(4,51) 2(101,4) 2(101,51)

## Via types
v1: diameter 0.6, hole 0.3, Top Layer to Bottom Layer, 277 vias
v2: diameter 0.6, hole 0.3, Top Layer to Bottom Layer, tented bottom, 42 vias